# Altium PCB BT612-4-V1.0.PcbDoc (part 1 of 3)
Units mil, origin at the board's own origin, x right, y up, seen from the top; angles counter-clockwise.
Board outline 2224.41 x 905.51 mil, 2 copper layers (Top Layer, Bottom Layer); 57 components, 46 nets, 209 pads, 231 vias.
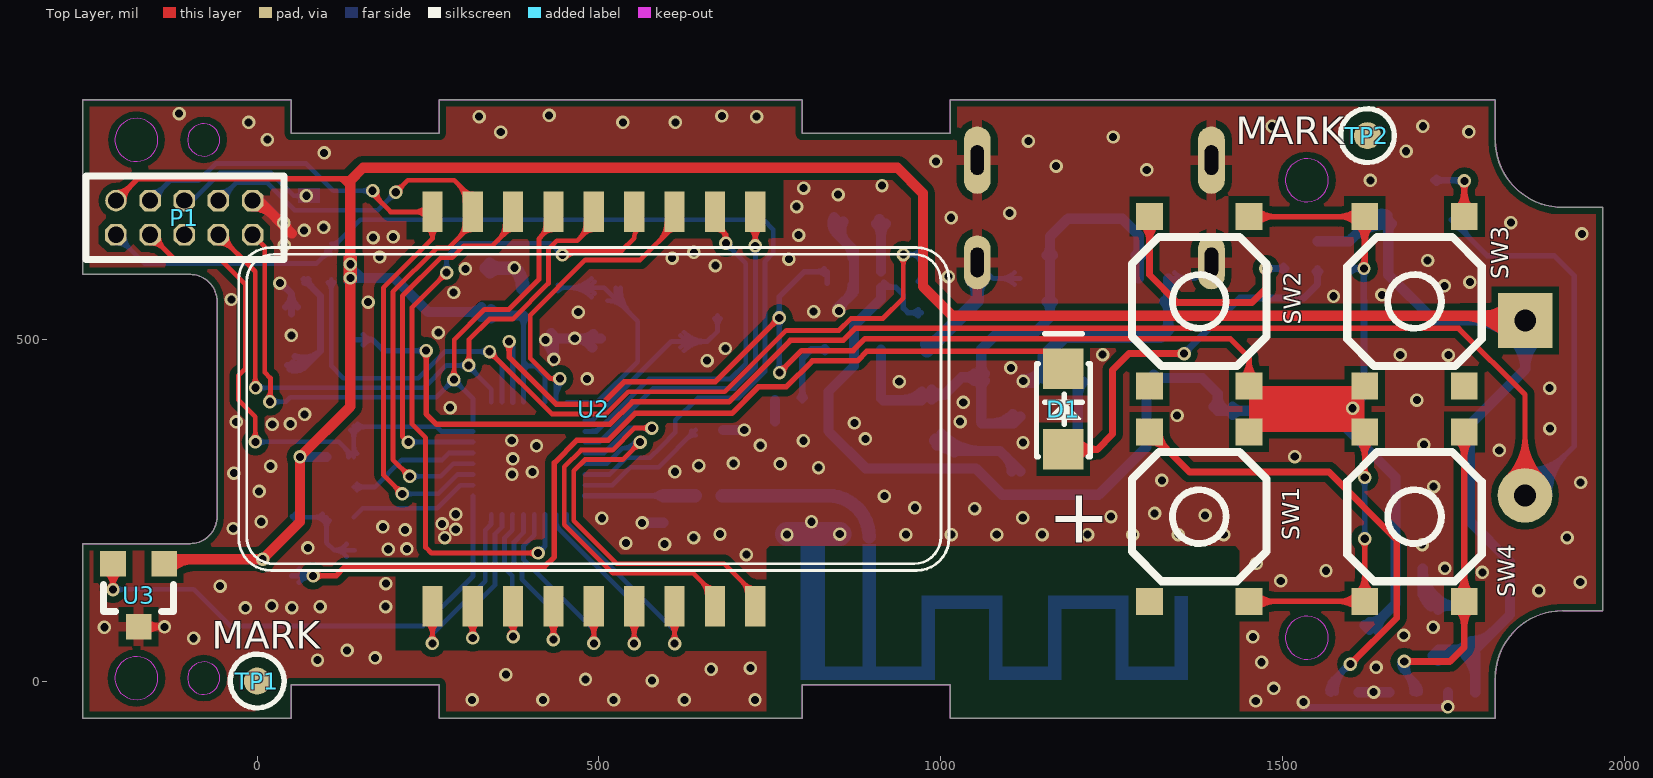
[diagram p0: Top Layer view]
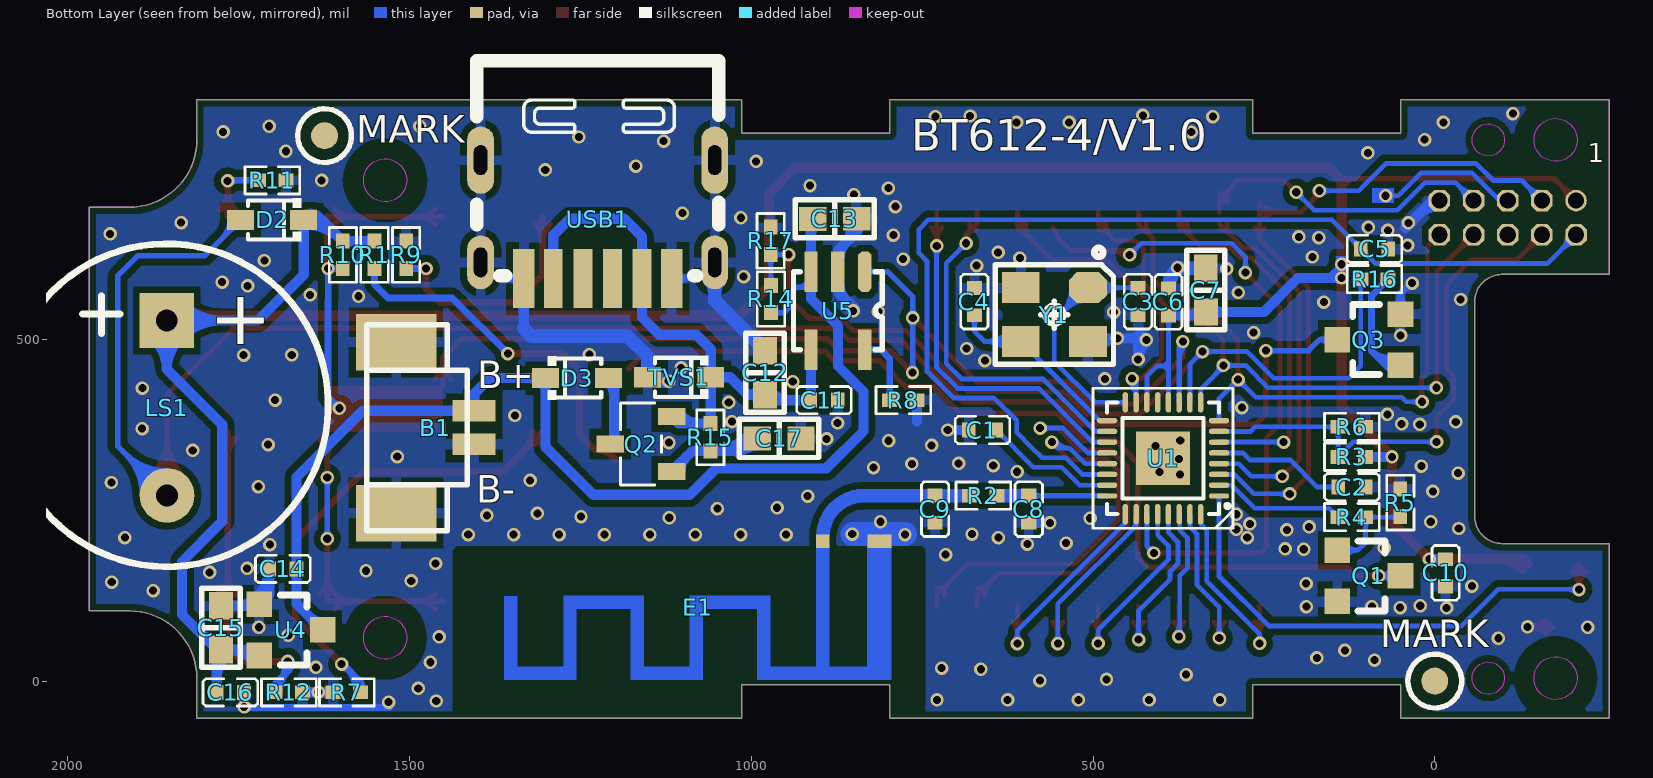
[diagram p1: Bottom Layer view, seen from below]
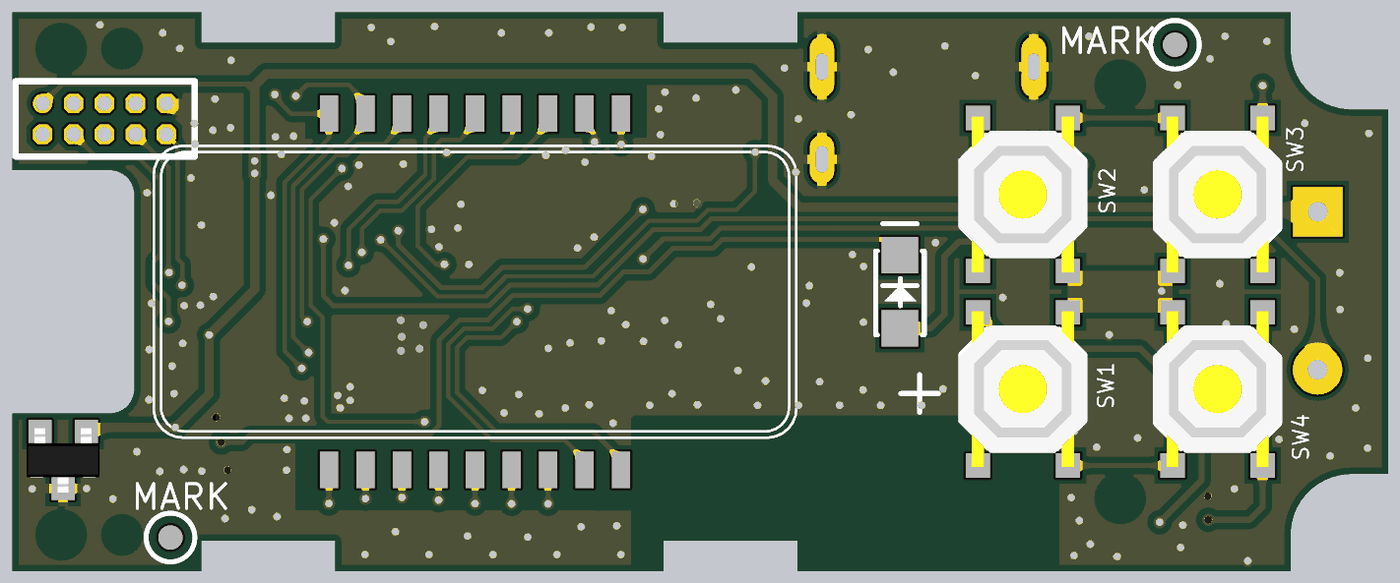
[diagram p4: 3D render of the assembled board from above, using the file's embedded part models]

## Layer stack, top to bottom
Top Layer: signal copper 1.4
Dielectric: dielectric 12.6, FR-4, Dk 4.8
Bottom Layer: signal copper 1.4

## Board outline
1811.42,-54.72 1014.17,-54.72 1014.17,-5.51 797.64,-5.51 797.64,-54.72 266.14,-54.72 266.14,-5.51 49.61,-5.51 49.61,-54.72 -255.51,-54.72 -255.51,201.18 -98.03,201.18 ccw(c-98.03,240.55) -58.66,240.55 -58.66,555.51 ccw(c-98.03,555.51) -98.03,594.88 -255.51,594.88 -255.51,850.79 49.61,850.79 49.61,801.58 266.14,801.58 266.14,850.79 797.64,850.79 797.64,801.58 1014.17,801.58 1014.17,850.79 1811.42,850.79 1811.42,791.73 ccw(c1909.84,791.73) 1910.3,693.31 1968.9,693.31 1968.9,102.76 1909.84,102.76 ccw(c1909.84,4.33) 1811.42,4.33

## Design rules (kind name [scope] priority, off if disabled: settings)
Clearance Clearance_1 [NOT (Inpolygon) vs NOT (Inpolygon)] p1: gap=7
Clearance [Inpolygon] p2: gap=10
FabricationTestPointUsage TestPointUsage [All] p1: valid=0 allowmultiple=FALSE
FabricationTestpoint Testpoint [All] p1: side=3 testpointundercomponent=TRUE minsize=40 maxsize=100 preferedsize=60 minholesize=20 maxholesize=40 preferedholesize=32 testpointgrid=1 allowsidetop=TRUE allowsidebottom=TRUE usegrid=TRUE gridtolerance=0.01
HoleToHoleClearance [All] p1: gap=6 allowstackedmicrovias=TRUE
MinimumSolderMaskSliver [All] p1: minsoldermaskwidth=6
PolygonConnect PolygonConnect_1 [IsVia] p1: connectstyle=Direct reliefconductorwidth=10 reliefentries=4 polygonreliefangle="90 Angle"
PolygonConnect [All] p2: connectstyle=Relief reliefconductorwidth=15 reliefentries=4 polygonreliefangle="90 Angle"
RoomDefinition BT612-4-V1.0 [InComponentClass('BT612-4-V1.0')] p1: confinementstyle=ConfineIn formatcopy=TRUE lockcomponents=FALSE outline -29340.29,-47798.28 -27340.29,-47798.28 -27340.29,-46798.28 -29340.29,-46798.28
RoutingVias [All] p1: holewidth=28 width=50 viastyle="Through Hole" minholewidth=7.87 minwidth=15.75 maxholewidth=28 maxwidth=50
SilkToSilkClearance [All] p1: silktosilkclearance=1
SilkscreenOverComponentPads [All] p1: minsilkscreentomaskgap=2
SolderMaskExpansion [All] p1: expansion=4
UnConnectedPin [All] p1:
Width [All] p1: maxlimit=40 minlimit=6 preferedwidth=10
22 further rules are at their usual default settings.

## Components (designator, comment, footprint, x,y, rotation, side; value= is the part's Value field where it differs from the comment)
B1 "Battery 4.2V" BAT2P-1.25 1462.6,370.87 r270 bottom
C1 "104" 0402C 661.81,367.32 r0 bottom
C2 "104" 0402C 121.26,283.86 r0 bottom
C3 "22pF" 0402C 434.25,555.12 r270 bottom
C4 "22pF" 0402C 673.62,555.12 r270 bottom
C5 "104" 0402C 88.19,632.28 r180 bottom
C6 "104" 0402C 389.76,554.72 r90 bottom
C7 "106" 0603-C 335.04,572.05 r90 bottom
C8 "NC" 0402C 594.09,251.57 r270 bottom
C9 "NC" 0402C 731.1,251.57 r270 bottom
C10 "104" 0402C -15.75,158.35 r270 bottom
C11 "104" 0402C 893.7,411.02 r0 bottom
C12 "106" 0603-C 979.92,451.18 r270 bottom
C13 "106" 0603-C 878.08,676.32 r0 bottom
C14 "104" 0402C 1685.43,164.17 r180 bottom
C15 "106" 0603-C 1775.99,77.95 r270 bottom
C16 "104" 0402C 1762.21,-16.54 r0 bottom
C17 "106" 0603-C 959.45,355.12 r0 bottom
D1 "LED3020" LED-3020 1179.53,398.03 r270 top
D2 "1N4148WS" SOD323 1701.18,674.8 r0 bottom
D3 "1N4148WS" SOD323 1255.12,443.31 r180 bottom
E1 "Antenna" BT-ANT 895.28,204.33 r180 bottom
LS1 "Bell" BUZZ-12085 1855.12,399.61 r180 bottom
P1 "Debug connecter 1.27mm" SIP5-X2-1.27 -106.69,677.95 r0 top
Q1 "S8050" SOT23 96.46,153.94 r0 bottom
Q2 "RU20P4C" SOT-23-GSD 1161.42,346.85 r90 bottom
Q3 "S8050" SOT23 96.46,499.61 r180 bottom
R1 "1K" 0402R 1551.38,623.62 r90 bottom
R2 "3.6nH" 0402R 660.63,271.26 r180 bottom
R3 "0R" 0402R 121.26,327.95 r0 bottom
R4 "1K" 0402R 121.26,239.76 r0 bottom
R5 "4.7K" 0402R 50.39,261.02 r270 bottom
R6 "0R" 0402R 121.26,372.05 r0 bottom
R7 "4.7K" 0402R 1591.73,-16.54 r0 bottom
R8 "10K" 0402R 777.56,411.02 r0 bottom
R9 "10K" 0402R 1505.12,623.62 r90 bottom
R10 "100K" 0402R 1597.64,623.62 r270 bottom
R11 "20K" 0402R 1700.79,732.68 r180 bottom
R12 "30K" 0402R 1676.77,-16.54 r180 bottom
R14 "10M" 0402R 971.26,559.06 r270 bottom
R15 "470K" 0402R 1059.84,356.69 r90 bottom
R16 "1K" 0402R 88.19,587.99 r0 bottom
R17 "1M" 0402R 971.65,644.09 r270 bottom
SW1 "Power_key" SW_PB_SMD_4X4 1378.35,240.55 r90 top locked
SW2 "Power_key" SW_PB_SMD_4X4 1378.35,555.51 r90 top locked
SW3 "Power_key" SW_PB_SMD_4X4 1693.31,555.51 r270 top
SW4 "Power_key" SW_PB_SMD_4X4 1693.31,240.55 r270 top
TP1 "MARK" MARK 0,0 r0 top
TP2 "MARK" MARK 1624.41,798.03 r0 top
TVS1 "TVS" SOD323 1105.51,444.49 r0 bottom
U1 "PHY6222" QFN32-4*4 397.64,325.98 r0 bottom
U2 "DY10550-TTA_1" GTES505液晶屏 256.3,109.64 r90 top locked
U3 "SV229" SOT23-3 -173.62,125.59 r180 top
U4 "XC6206P302" SOT23 1673.62,74.8 r0 bottom
U5 "SV4054" SOT23-5 873.36,542.06 r0 bottom
USB1 "TYPE-C 6P" "TYPE-C 6P" 1224.8,675.59 r180 bottom locked
Y1 "16MHZ" JZ-3225 556.69,536.22 r270 bottom

## Footprints (in the part's own frame and the unit in brackets; to place one, negate y for a bottom-side part, rotate by r counter-clockwise, add the part's x,y. Pads: shape width x height; smd on the part's side, far side on the other; paste and mask are expansions set on the pad)
0402C [mil]
  rect 20x22 smd: 1(-20,0) 2(20,0)
  silkscreen extent -40,-20 40,20
0402R [mil]
  rect 22x20 smd: 1(-20,0) 2(20,0)
  silkscreen extent -40,-20 40,20
0603-C [mil]
  rect 40x35 smd: 1(-32.09,-0.07) 2(32.09,0.07)
  silkscreen extent -58,-28 58,28, body extent -51,-19 52,20, height 35
BAT2P-1.25 [mm]
  rect 0.8x1.6 smd: 1(-0.625,1.45) 2(0.625,1.45)
  rect 2.1x3 smd: 3(-3.175,-1.45) 4(3.175,-1.45)
  silkscreen extent -3.82,-2.55 3.83,1.2
BT-ANT [mm]
  rect 0.5x0.5 smd: 1(0,0)
  rect 0.9x0.5 smd: 2(2.1,0)
  rect 0.5x0.5 on Bottom Solder: ""(-11.6,-4.9) ""(-11.59,-2.29) ""(-9.4,-4.9) ""(-9.4,-2.26) ""(-6.9,-2.26) ""(-6.9,-4.9) ""(-4.7,-4.9) ""(-4.7,-2.26) ""(-2.2,-4.9) ""(-2.2,-2.26) ""(0,-4.4) ""(2.3,-4.9)
  Top Layer region: -6.651,-2.01 -6.651,-5.15 -7.151,-5.15 -7.151,-2.01
  Top Layer region: -4.448,-4.649 -4.448,-5.149 -7.149,-5.149 -7.149,-4.649
  Top Layer region: -4.449,-2.011 -4.449,-5.151 -4.95,-5.151 -4.95,-2.011
  Top Layer region: -1.951,-2.018 -1.951,-2.518 -4.951,-2.518 -4.951,-2.018
  Top Layer region: 2.544,0.253 2.544,-5.147 1.645,-5.147 1.645,0.253
  Top Layer region: 0.251,-0.092 0.251,-4.9 -0.25,-4.9 -0.25,-0.092
  Top Layer region: -1.951,-2.013 -1.951,-5.153 -2.451,-5.153 -2.451,-2.013
  Top Layer region: -9.149,-2.01 -9.149,-5.15 -9.649,-5.15 -9.649,-2.01
  Top Layer region: -9.649,-2.509 -9.649,-2.009 -6.948,-2.009 -6.948,-2.509
  Top Layer region: -9.15,-4.651 -9.15,-5.15 -11.85,-5.15 -11.85,-4.651
  Top Layer region: -11.347,-2.022 -11.347,-5.152 -11.847,-5.152 -11.847,-2.022
  Top Layer lines w0.5: 2.3,-4.9 -2.2,-4.9
BUZZ-12085 [mil]
  rect 80x80 hole 32: 1(-0.16,127.95)
  round 80 hole 32: 2(0.16,-127.95)
  silkscreen extent -236,-232 236,240, body extent -236,-233 236,237, height 354
GTES505液晶屏 [mm]
  rect 1.5x0.75 smd: 1(0,0) 2(0,-1.5) 3(0,-3) 4(0,-4.5) 5(0,-6) 6(0,-7.5) 7(0,-9) 8(0,-10.5) 9(0,-12) 10(14.65,-12) 11(14.65,-10.5) 12(14.65,-9) 13(14.65,-7.5) 14(14.65,-6) 15(14.65,-4.5) 16(14.65,-3) 17(14.65,-1.5) 18(14.65,0)
  silkscreen extent 1.33,-19.2 13.33,7.2
JZ-3225 [mm]
  oct 1.15x1.4 smd: 1(-1,1.25)
  rect 1.15x1.4 smd: 2(-1,-1.25) 3(1,-1.25) 4(1,1.25)
  silkscreen extent -2.47,-2.2 1.85,2.2
LED-3020 [mm]
  rect 1.5x1.5 smd: 1(1.5,0) 2(-1.5,0)
  silkscreen extent -2.79,-1 1.78,1, body extent -2.36,-0.77 1.84,0.83, height 1
MARK [mm]
  round 1 smd: 1(0,0)
  round 1 smd far side: 1(0,0)
  Top Layer pour cut-out: -1.009,0 -0.974,-0.261 -0.873,-0.504 -0.713,-0.713 -0.504,-0.873 -0.261,-0.974 0,-1.009 0,-1.009 0.261,-0.974 0.504,-0.873 0.713,-0.713 0.873,-0.504 0.974,-0.261 1.009,0 1.009,0 0.974,0.261 0.873,0.504 0.713,0.713 0.504,0.873 0.261,0.974 0,1.009 0,1.009 -0.261,0.974 -0.504,0.873 -0.713,0.713 -0.873,0.504 -0.974,0.261 -1.009,0
  Bottom Layer pour cut-out: 1.009,0 0.974,-0.261 0.873,-0.504 0.713,-0.713 0.504,-0.873 0.261,-0.974 0,-1.009 0,-1.009 -0.261,-0.974 -0.504,-0.873 -0.713,-0.713 -0.873,-0.504 -0.974,-0.261 -1.009,0 -1.009,0 -0.974,0.261 -0.873,0.504 -0.713,0.713 -0.504,0.873 -0.261,0.974 0,1.009 0,1.009 0.261,0.974 0.504,0.873 0.713,0.713 0.873,0.504 0.974,0.261 1.009,0
  silkscreen extent -1,-1 1,1
QFN32-4*4 [mm]
  oval 0.76x0.2 smd: 1(-2.08,1.4) 2(-2.08,1) 3(-2.08,0.6) 4(-2.08,0.2) 5(-2.08,-0.2) 6(-2.08,-0.6) 7(-2.08,-1) 8(-2.08,-1.4) 17(2.08,-1.4) 18(2.08,-1) 19(2.08,-0.6) 20(2.08,-0.2) 21(2.08,0.2) 22(2.08,0.6) 23(2.08,1) 24(2.08,1.4)
  oval 0.2x0.76 smd: 9(-1.4,-2.08) 10(-1,-2.08) 11(-0.6,-2.08) 12(-0.2,-2.08) 13(0.2,-2.08) 14(0.6,-2.08) 15(1,-2.08) 16(1.4,-2.08) 25(1.4,2.08) 26(1,2.08) 27(0.6,2.08) 28(0.2,2.08) 29(-0.2,2.08) 30(-0.6,2.08) 31(-1,2.08) 32(-1.4,2.08)
  rect 2x2 smd: 33(0,0)
  silkscreen extent -2.6,-2.6 2.6,2.6
SIP5-X2-1.27 [mm]
  round 0.8 hole 0.6: 1(-2.54,0.635)
  oct 0.8x0.8 hole 0.6: 2(-2.54,-0.635) 3(-1.27,0.635) 4(-1.27,-0.635) 5(0,0.635) 6(0,-0.635) 7(1.27,0.635) 8(1.27,-0.635) 9(2.54,0.635) 10(2.54,-0.635)
  silkscreen extent -3.66,-1.55 3.71,1.55
SOD323 [mm]
  rect 1x0.75 smd: 1(1.173,0) 2(-1.173,0)
  silkscreen extent -1.08,-0.8 0.9,0.8
SOT23 [mm]
  rect 0.95x0.95 smd: 1(1.175,-0.95) 2(1.175,0.95) 3(-1.175,0)
  silkscreen extent -0.6,-1.3 0.4,1.3, body extent -1.34,-1.5 1.3,1.5, height 1.08
SOT23-3 [mm]
  rect 0.95x0.95 smd: 1(-0.95,-1.175) 2(0,1.175) 3(0.95,-1.175)
  silkscreen extent -1.3,-0.4 1.3,0.6, body extent -1.5,-1.3 1.5,1.34, height 1.08
SOT23-5 [mm]
  oct 0.5x1.5 smd: 1(-1,-1.45)
  rect 0.5x1.5 smd: 2(0,-1.45) 3(1,-1.45) 4(1,1.45) 5(-1,1.45)
  silkscreen extent -1.65,-1.45 1.65,1.45, body extent -1.45,-1.4 1.45,1.4, height 1.2
SOT-23-GSD [mil]
  rect 25x40 smd: D(0,45) G(-40,-45) S(40,-45)
  silkscreen extent -60,-30 60,30
SW_PB_SMD_4X4 [mm]
  rect 1x1 smd: 1(-3.15,-1.85) 1(3.15,-1.85) 2(-3.15,1.85) 2(3.15,1.85)
  silkscreen extent -2.4,-2.5 2.4,2.5, body extent -3.2,-2.63 3.2,2.63, height 1.5
"TYPE-C 6P" [mm]
  oval 1x2 hole 0.5 slot 1.1 at 90 deg: 7(-4.35,-1.6) 7(4.35,-1.6)
  oval 1x2.5 hole 0.5 slot 1.1 at 90 deg: 7(-4.35,2.2) 7(4.35,2.2)
  rect 0.7x2.2 smd: A5(0.55,-2.2) A9(-1.65,-2.2) B5(-0.55,-2.2) B9(1.65,-2.2)
  rect 0.8x2.2 smd: A12(-2.75,-2.2) B12(2.75,-2.2)
  silkscreen extent -4.5,-2.1 4.5,5.9

## Part data
B1: library part Battery, "Multicell Battery"
C1 C2 C3 C4 C5 C6 C7 C8 C9 C10: library part Cap, "Capacitor"
C11 C12 C13 C14 C15 C16 C17: library part CAP, "Capacitor"
D1: library part LED0, "Typical INFRARED GaAs LED"
D2 D3: library part "D Varactor", "Variable Capacitance Diode"
LS1: "Electrical Bell"
P1: library part "Header 5X2", "Header, 5-Pin, Dual row"
Q1 Q3: library part NPN, "NPN Transistor"
Q2: library part P-MOS
R1 R2 R3 R4 R5 R6 R7 R9 R10 R11 R12 R14 R16 R17: library part Res2, "Resistor"
R8 R15: library part Res2, "1%@100mA"
SW1 SW2 SW3 SW4: library part SW-PB, "Switch"
TP1 TP2: library part TP
U3: library part "霍尔44E 938"
Y1: library part X1_1

## Via types
v1: diameter 19.68, hole 11.81, Top Layer to Bottom Layer, tented both sides, 231 vias

## Nets (pads, with @x,y where several pads share a name; then routed paths per layer and width w, separated by ;. In a path a pad name is that pad's centre, name@x,y a point inside that pad or via, vN(x,y) a via of type N, cw(c..) or ccw(c..) an arc to the next point about the centre after c; other vN are vias at no path point)
BELL: R14.1 R16.2 R17.2 U1.10 | length 2012.3
  Top Layer w7: v1(339.89,482.15) 431.5,390.55 510.19,390.55 542.8,423.16 684.21,423.16 774.1,513.05 851.26,513.05 868.86,530.64 915.65,530.64 945.35,560.35 v1(945.35,624.09) ; v1@339.89,475.81 cw(c339.89,460.5) 350.72,471.33 ; v1@339.89,475.81 cw(c339.89,460.5) 350.72,471.33 ; v1@339.89,475.81 cw(c339.89,460.5) 350.72,471.33 ; v1@346.24,482.15 ccw(c361.55,482.15) 350.72,471.33 ; v1@346.24,482.15 ccw(c361.55,482.15) 350.72,471.33 ; v1@346.24,482.15 ccw(c361.55,482.15) 350.72,471.33 ; v1@940.87,619.61 cw(c930.04,608.78) 945.35,608.78 ; v1@940.87,619.61 cw(c930.04,608.78) 945.35,608.78 ; v1@940.87,619.61 cw(c930.04,608.78) 945.35,608.78 ; 945.35,608.78 cw(c960.67,608.78) v1@949.84,619.61 ; 945.35,608.78 cw(c960.67,608.78) v1@949.84,619.61 ; 945.35,608.78 cw(c960.67,608.78) v1@949.84,619.61
  Bottom Layer w7: R16.2@108.19,587.99 108.19,461.1 126.16,443.13 235.68,443.13 274.7,482.15 ; 317.87,482.15 274.7,482.15 ; U1.10@358.27,407.87 358.27,463.78 v1(339.89,482.15) 274.7,482.15 ; v1(945.35,624.09) R17.2@971.65,624.09 R14.1@971.65,579.45 ; R16.2@103.59,583.4 cw(c92.5,572.3) 108.19,572.3 ; R16.2@103.59,583.4 cw(c92.5,572.3) 108.19,572.3 ; R16.2@103.59,583.4 cw(c92.5,572.3) 108.19,572.3 ; 108.19,572.3 cw(c123.88,572.3) R16.2@112.79,583.4 ; 108.19,572.3 cw(c123.88,572.3) R16.2@112.79,583.4 ; 108.19,572.3 cw(c123.88,572.3) R16.2@112.79,583.4 ; 324.58,482.15 cw(c324.58,466.84) v1@335.41,477.67 ; 324.58,482.15 ccw(c324.58,497.47) v1@335.41,486.64 ; 324.58,482.15 cw(c324.58,466.84) v1@335.41,477.67 ; 324.58,482.15 ccw(c324.58,497.47) v1@335.41,486.64 ; 324.58,482.15 cw(c324.58,466.84) v1@335.41,477.67 ; 324.58,482.15 ccw(c324.58,497.47) v1@335.41,486.64 ; v1@339.89,475.81 cw(c339.89,460.5) 350.72,471.33 ; v1@339.89,475.81 cw(c339.89,460.5) 350.72,471.33 ; v1@339.89,475.81 cw(c339.89,460.5) 350.72,471.33 ; v1@346.24,482.15 ccw(c361.55,482.15) 350.72,471.33 ; v1@346.24,482.15 ccw(c361.55,482.15) 350.72,471.33 ; v1@346.24,482.15 ccw(c361.55,482.15) 350.72,471.33 ; v1@949.84,619.61 cw(c960.67,608.78) 960.67,624.09 ; v1@949.84,619.61 cw(c960.67,608.78) 960.67,624.09 ; v1@949.84,619.61 cw(c960.67,608.78) 960.67,624.09 ; v1@949.84,628.58 ccw(c960.67,639.41) 960.67,624.09 ; v1@949.84,628.58 ccw(c960.67,639.41) 960.67,624.09 ; v1@949.84,628.58 ccw(c960.67,639.41) 960.67,624.09 ; 955.96,624.09 cw(c955.96,608.4) R17.2@967.06,619.5 ; 955.96,624.09 ccw(c955.96,639.79) R17.2@967.06,628.69 ; 955.96,624.09 cw(c955.96,608.4) R17.2@967.06,619.5 ; 955.96,624.09 ccw(c955.96,639.79) R17.2@967.06,628.69 ; 955.96,624.09 cw(c955.96,608.4) R17.2@967.06,619.5 ; 955.96,624.09 ccw(c955.96,639.79) R17.2@967.06,628.69 ; R14.1@966.66,584.65 ccw(c954.62,596.7) 971.65,596.7 ; R14.1@966.66,584.65 ccw(c954.62,596.7) 971.65,596.7 ; R14.1@966.66,584.65 ccw(c954.62,596.7) 971.65,596.7 ; R17.2@967.06,618.5 cw(c955.96,607.4) 971.65,607.4 ; R17.2@967.06,618.5 cw(c955.96,607.4) 971.65,607.4 ; R17.2@967.06,618.5 cw(c955.96,607.4) 971.65,607.4 ; 971.65,594.8 ccw(c986,594.8) R14.1@975.86,584.65 ; 971.65,594.8 ccw(c986,594.8) R14.1@975.86,584.65 ; 971.65,594.8 ccw(c986,594.8) R14.1@975.86,584.65 ; 971.65,607.4 cw(c987.35,607.4) R17.2@976.25,618.5 ; 971.65,607.4 cw(c987.35,607.4) R17.2@976.25,618.5 ; 971.65,607.4 cw(c987.35,607.4) R17.2@976.25,618.5
CHRG#KEY: R10.2 SW1.1 SW2.1 SW3.1 SW4.1 U1.11 U5.1 | length 4494.9
  Top Layer w8: v1(368.5,496.85) 368.5,474.05 437.5,405.05 504.18,405.05 536.79,437.66 669.94,437.66 v1(763.78,531.5) ; v1(764.17,451.18) 796.54,483.55 871.77,483.55 ; 806.37,483.55 871.77,483.55 ; SW1.1@1451.18,116.54 SW4.1@1620.47,116.54 v1(1620.47,208.27) ; SW2.1@1451.18,431.5 1451.18,473.37 1423.41,501.14 889.37,501.14 871.77,483.55 ; SW2.1@1451.18,679.53 SW3.1@1620.47,679.53 ; v1(1620.47,297.82) SW4.1@1620.47,364.57 ; v1@364.37,492.72 cw(c354.4,482.74) 368.5,482.74 ; v1@364.37,492.72 cw(c354.4,482.74) 368.5,482.74 ; v1@364.37,492.72 cw(c354.4,482.74) 368.5,482.74 ; 368.5,482.74 cw(c382.61,482.74) v1@372.63,492.72 ; 368.5,482.74 cw(c382.61,482.74) v1@372.63,492.72 ; 368.5,482.74 cw(c382.61,482.74) v1@372.63,492.72 ; 753.81,521.52 cw(c763.78,511.55) v1@763.78,525.65 ; 753.81,521.52 ccw(c743.83,531.5) v1@757.94,531.5 ; 753.81,521.52 cw(c763.78,511.55) v1@763.78,525.65 ; 753.81,521.52 ccw(c743.83,531.5) v1@757.94,531.5 ; 753.81,521.52 cw(c763.78,511.55) v1@763.78,525.65 ; 753.81,521.52 ccw(c743.83,531.5) v1@757.94,531.5 ; v1@764.17,457.02 ccw(c764.17,471.13) 774.15,461.15 ; v1@764.17,457.02 ccw(c764.17,471.13) 774.15,461.15 ; v1@764.17,457.02 ccw(c764.17,471.13) 774.15,461.15 ; v1@770.02,451.18 cw(c784.12,451.18) 774.15,461.15 ; v1@770.02,451.18 cw(c784.12,451.18) 774.15,461.15 ; v1@770.02,451.18 cw(c784.12,451.18) 774.15,461.15 ; 1451.18,469.36 cw(c1413.31,469.36) 1440.09,442.59 ccw(c1413.31,469.36) 1451.18,469.36 ; 1451.18,469.36 ccw(c1489.05,469.36) 1462.27,442.59 cw(c1489.05,469.36) 1451.18,469.36 ; 1489.05,116.54 cw(c1489.05,154.4) 1462.27,127.63 ccw(c1489.05,154.4) 1489.05,116.54 ; 1489.05,116.54 ccw(c1489.05,78.67) 1462.27,105.44 cw(c1489.05,78.67) 1489.05,116.54 ; 1489.05,679.53 cw(c1489.05,717.39) 1462.27,690.62 ccw(c1489.05,717.39) 1489.05,679.53 ; 1489.05,679.53 ccw(c1489.05,641.66) 1462.27,668.44 cw(c1489.05,641.66) 1489.05,679.53 ; 1582.61,116.54 cw(c1582.61,78.67) 1609.38,105.44 ccw(c1582.61,78.67) 1582.61,116.54 ; 1582.61,116.54 ccw(c1582.61,154.4) SW4.1@1609.38,127.63 ; 1582.61,116.54 ccw(c1582.61,154.4) SW4.1@1609.38,127.63 ; 1582.61,679.53 cw(c1582.61,641.66) 1609.38,668.44 ccw(c1582.61,641.66) 1582.61,679.53 ; 1582.61,679.53 ccw(c1582.61,717.39) 1609.38,690.62 cw(c1582.61,717.39) 1582.61,679.53 ; SW4.1@1609.38,127.63 ccw(c1582.61,154.4) 1620.47,154.4 ; SW4.1@1609.38,127.63 ccw(c1582.61,154.4) 1620.47,154.4 ; 1620.47,154.4 ccw(c1658.34,154.4) 1631.56,127.63 cw(c1658.34,154.4) 1620.47,154.4 ; 1620.47,194.16 cw(c1634.58,194.16) 1624.6,204.14 ccw(c1634.58,194.16) 1620.47,194.16 ; 1620.47,194.16 ccw(c1606.37,194.16) 1616.34,204.14 cw(c1606.37,194.16) 1620.47,194.16 ; 1620.47,311.92 cw(c1606.37,311.92) 1616.34,301.95 ccw(c1606.37,311.92) 1620.47,311.92 ; 1620.47,311.92 ccw(c1634.58,311.92) 1624.6,301.95 cw(c1634.58,311.92) 1620.47,311.92 ; 1620.47,326.7 cw(c1658.34,326.7) 1631.56,353.48 ccw(c1658.34,326.7) 1620.47,326.7 ; 1620.47,326.7 ccw(c1582.61,326.7) 1609.38,353.48 cw(c1582.61,326.7) 1620.47,326.7
  Top Layer w10: v1@1620.47,604.73 SW3.1@1620.47,679.53 ; v1@1615.95,607.05 ccw(c1605.02,617.98) 1620.47,617.98 ; v1@1615.95,607.05 ccw(c1605.02,617.98) 1620.47,617.98 ; v1@1615.95,607.05 ccw(c1605.02,617.98) 1620.47,617.98 ; 1620.47,644.08 cw(c1655.93,644.08) 1630.86,669.14 ccw(c1655.93,644.08) 1620.47,644.08 ; 1620.47,644.08 ccw(c1585.02,644.08) 1610.09,669.14 cw(c1585.02,644.08) 1620.47,644.08
  Bottom Layer w8: v1(368.5,496.85) 368.11,496.46 368.11,492.91 369.69,492.91 374.02,488.58 U1.11@374.02,407.88 374.02,453.54 ; v1@763.78,451.18 v1(763.78,531.5) 763.78,562.2 800.73,599.15 U5.1@833.99,599.15 U5.1@833.99,582.02 ; v1(1620.47,208.27) v1(1620.47,297.82) ; v1@364.37,492.72 cw(c341.08,469.42) 374.02,469.42 ; v1@364.37,492.72 cw(c341.08,469.42) 374.02,469.42 ; v1@364.37,492.72 cw(c341.08,469.42) 374.02,469.42 ; v1@759.65,527.36 cw(c749.67,517.39) 763.78,517.39 ; v1@759.65,527.36 cw(c749.67,517.39) 763.78,517.39 ; v1@759.65,527.36 cw(c749.67,517.39) 763.78,517.39 ; v1@759.65,535.63 ccw(c749.67,545.6) 763.78,545.6 ; v1@759.65,535.63 ccw(c749.67,545.6) 763.78,545.6 ; v1@759.65,535.63 ccw(c749.67,545.6) 763.78,545.6 ; v1@760.04,455.31 ccw(c751.02,464.34) 763.78,464.34 ; v1@760.04,455.31 ccw(c751.02,464.34) 763.78,464.34 ; v1@760.04,455.31 ccw(c751.02,464.34) 763.78,464.34 ; 763.78,466.24 ccw(c779.23,466.24) v1@768.3,455.31 ; 763.78,466.24 ccw(c779.23,466.24) v1@768.3,455.31 ; 763.78,466.24 ccw(c779.23,466.24) v1@768.3,455.31 ; 763.78,517.39 cw(c777.88,517.39) v1@767.91,527.36 ; 763.78,517.39 cw(c777.88,517.39) v1@767.91,527.36 ; 763.78,517.39 cw(c777.88,517.39) v1@767.91,527.36 ; 763.78,545.6 ccw(c777.88,545.6) v1@767.91,535.63 ; 763.78,545.6 ccw(c777.88,545.6) v1@767.91,535.63 ; 763.78,545.6 ccw(c777.88,545.6) v1@767.91,535.63 ; 819.89,599.15 cw(c819.89,585.05) U5.1@829.86,595.02 ; 819.89,599.15 ccw(c819.89,613.26) U5.1@829.86,603.28 ; 819.89,599.15 cw(c819.89,585.05) U5.1@829.86,595.02 ; 819.89,599.15 ccw(c819.89,613.26) U5.1@829.86,603.28 ; 819.89,599.15 cw(c819.89,585.05) U5.1@829.86,595.02 ; 819.89,599.15 ccw(c819.89,613.26) U5.1@829.86,603.28 ; 1620.47,222.37 cw(c1606.37,222.37) 1616.34,212.4 ccw(c1606.37,222.37) 1620.47,222.37 ; 1620.47,222.37 ccw(c1634.58,222.37) 1624.6,212.4 cw(c1634.58,222.37) 1620.47,222.37 ; 1620.47,283.71 cw(c1634.58,283.71) 1624.6,293.69 ccw(c1634.58,283.71) 1620.47,283.71 ; 1620.47,283.71 ccw(c1606.37,283.71) 1616.34,293.69 cw(c1606.37,283.71) 1620.47,283.71
  Bottom Layer w10: R10.2@1597.64,603.62 v1(1619.37,603.62) 1619.1,603.35 1619.1,557.22 1619.37,556.95 1619.37,415.83 v1(1602.76,399.21) ; R10.2@1601.17,600.09 cw(c1609.71,591.55) v1@1609.71,603.62 ; R10.2@1601.17,600.09 cw(c1609.71,591.55) v1@1609.71,603.62 ; R10.2@1601.17,600.09 cw(c1609.71,591.55) v1@1609.71,603.62 ; R10.2@1601.17,607.16 ccw(c1609.71,615.69) v1@1609.71,603.62 ; R10.2@1601.17,607.16 ccw(c1609.71,615.69) v1@1609.71,603.62 ; R10.2@1601.17,607.16 ccw(c1609.71,615.69) v1@1609.71,603.62 ; v1@1602.76,404.06 ccw(c1602.76,415.75) 1611.02,407.48 ; v1@1602.76,404.06 ccw(c1602.76,415.75) 1611.02,407.48 ; v1@1602.76,404.06 ccw(c1602.76,415.75) 1611.02,407.48 ; v1@1607.6,399.21 cw(c1619.29,399.21) 1611.02,407.48 ; v1@1607.6,399.21 cw(c1619.29,399.21) 1611.02,407.48 ; v1@1607.6,399.21 cw(c1619.29,399.21) 1611.02,407.48 ; 1607.68,603.62 cw(c1607.68,591.93) v1@1615.95,600.2 ; 1607.68,603.62 ccw(c1607.68,615.31) v1@1615.95,607.05 ; 1607.68,603.62 cw(c1607.68,591.93) v1@1615.95,600.2 ; 1607.68,603.62 ccw(c1607.68,615.31) v1@1615.95,607.05 ; 1607.68,603.62 cw(c1607.68,591.93) v1@1615.95,600.2 ; 1607.68,603.62 ccw(c1607.68,615.31) v1@1615.95,607.05 ; v1@1615.95,600.2 cw(c1608.33,592.58) 1619.1,592.58 ; v1@1615.95,600.2 cw(c1608.33,592.58) 1619.1,592.58 ; v1@1615.95,600.2 cw(c1608.33,592.58) 1619.1,592.58 ; 1619.1,591.28 cw(c1631.71,591.28) v1@1622.79,600.2 ; 1619.1,591.28 cw(c1631.71,591.28) v1@1622.79,600.2 ; 1619.1,591.28 cw(c1631.71,591.28) v1@1622.79,600.2
COM1: U1.28 U2.5 | length 663.3
  Top Layer w7: v1@492.52,55.51 U2.5@492.52,109.64 ; U2.5@484.56,86.92 cw(c465.33,67.69) 492.52,67.69 ; U2.5@484.56,86.92 cw(c465.33,67.69) 492.52,67.69 ; U2.5@484.56,86.92 cw(c465.33,67.69) 492.52,67.69 ; v1@488.04,59.6 ccw(c477.21,70.43) 492.52,70.43 ; v1@488.04,59.6 ccw(c477.21,70.43) 492.52,70.43 ; v1@488.04,59.6 ccw(c477.21,70.43) 492.52,70.43 ; v1@488.04,59.6 ccw(c477.21,70.43) 492.52,70.43 ; v1@488.04,59.6 ccw(c477.21,70.43) 492.52,70.43 ; 492.52,67.69 cw(c519.71,67.69) U2.5@500.49,86.92 ; 492.52,67.69 cw(c519.71,67.69) U2.5@500.49,86.92 ; 492.52,67.69 cw(c519.71,67.69) U2.5@500.49,86.92 ; 492.52,70.43 ccw(c507.83,70.43) v1@497.01,59.6 ; 492.52,70.43 ccw(c507.83,70.43) v1@497.01,59.6 ; 492.52,70.43 ccw(c507.83,70.43) v1@497.01,59.6 ; 492.52,70.43 ccw(c507.83,70.43) v1@497.01,59.6 ; 492.52,70.43 ccw(c507.83,70.43) v1@497.01,59.6
  Bottom Layer w7: 403.77,163.56 405.51,161.82 ; U1.28@405.51,244.09 405.51,213.42 389.76,197.67 389.76,177.56 405.51,161.82 ; v1(492.52,55.12) 492.52,74.8 405.51,161.82 ; v1@488.04,59.6 ccw(c477.21,70.43) 492.52,70.43 ; v1@488.04,59.6 ccw(c477.21,70.43) 492.52,70.43 ; v1@488.04,59.6 ccw(c477.21,70.43) 492.52,70.43 ; v1@488.04,59.6 ccw(c477.21,70.43) 492.52,70.43 ; v1@488.04,59.6 ccw(c477.21,70.43) 492.52,70.43 ; 492.52,70.43 ccw(c507.83,70.43) v1@497.01,59.6 ; 492.52,70.43 ccw(c507.83,70.43) v1@497.01,59.6 ; 492.52,70.43 ccw(c507.83,70.43) v1@497.01,59.6 ; 492.52,70.43 ccw(c507.83,70.43) v1@497.01,59.6 ; 492.52,70.43 ccw(c507.83,70.43) v1@497.01,59.6
COM2: U1.26 U2.6 | length 694.2
  Top Layer w7: v1(551.58,54.72) U2.6@551.58,109.64 ; U2.6@543.61,86.92 cw(c524.38,67.69) 551.58,67.69 ; U2.6@543.61,86.92 cw(c524.38,67.69) 551.58,67.69 ; U2.6@543.61,86.92 cw(c524.38,67.69) 551.58,67.69 ; v1@547.09,59.21 ccw(c536.26,70.04) 551.58,70.04 ; v1@547.09,59.21 ccw(c536.26,70.04) 551.58,70.04 ; v1@547.09,59.21 ccw(c536.26,70.04) 551.58,70.04 ; v1@547.09,59.21 ccw(c536.26,70.04) 551.58,70.04 ; v1@547.09,59.21 ccw(c536.26,70.04) 551.58,70.04 ; 551.58,67.69 cw(c578.77,67.69) U2.6@559.54,86.92 ; 551.58,67.69 cw(c578.77,67.69) U2.6@559.54,86.92 ; 551.58,67.69 cw(c578.77,67.69) U2.6@559.54,86.92 ; 551.58,70.04 ccw(c566.89,70.04) v1@556.06,59.21 ; 551.58,70.04 ccw(c566.89,70.04) v1@556.06,59.21 ; 551.58,70.04 ccw(c566.89,70.04) v1@556.06,59.21 ; 551.58,70.04 ccw(c566.89,70.04) v1@556.06,59.21 ; 551.58,70.04 ccw(c566.89,70.04) v1@556.06,59.21
  Bottom Layer w7: U1.26@437.01,244.09 437.01,227.56 551.58,112.99 v1(551.58,54.72) ; U1.26@437.44,233.07 ccw(c451.8,233.07) 441.65,222.92 ; U1.26@437.44,233.07 ccw(c451.8,233.07) 441.65,222.92 ; U1.26@437.44,233.07 ccw(c451.8,233.07) 441.65,222.92 ; v1@547.09,59.21 ccw(c536.26,70.04) 551.58,70.04 ; v1@547.09,59.21 ccw(c536.26,70.04) 551.58,70.04 ; v1@547.09,59.21 ccw(c536.26,70.04) 551.58,70.04 ; v1@547.09,59.21 ccw(c536.26,70.04) 551.58,70.04 ; v1@547.09,59.21 ccw(c536.26,70.04) 551.58,70.04 ; 551.58,70.04 ccw(c566.89,70.04) v1@556.06,59.21 ; 551.58,70.04 ccw(c566.89,70.04) v1@556.06,59.21 ; 551.58,70.04 ccw(c566.89,70.04) v1@556.06,59.21 ; 551.58,70.04 ccw(c566.89,70.04) v1@556.06,59.21 ; 551.58,70.04 ccw(c566.89,70.04) v1@556.06,59.21
COM3: U1.25 U2.7 | length 678.1
  Top Layer w7: v1(610.63,54.72) U2.7@610.63,109.64 ; U2.7@602.67,86.92 cw(c583.44,67.69) 610.63,67.69 ; U2.7@602.67,86.92 cw(c583.44,67.69) 610.63,67.69 ; U2.7@602.67,86.92 cw(c583.44,67.69) 610.63,67.69 ; v1@606.15,59.21 ccw(c595.32,70.04) 610.63,70.04 ; v1@606.15,59.21 ccw(c595.32,70.04) 610.63,70.04 ; v1@606.15,59.21 ccw(c595.32,70.04) 610.63,70.04 ; v1@606.15,59.21 ccw(c595.32,70.04) 610.63,70.04 ; v1@606.15,59.21 ccw(c595.32,70.04) 610.63,70.04 ; 610.63,67.69 cw(c637.82,67.69) U2.7@618.6,86.92 ; 610.63,67.69 cw(c637.82,67.69) U2.7@618.6,86.92 ; 610.63,67.69 cw(c637.82,67.69) U2.7@618.6,86.92 ; 610.63,70.04 ccw(c625.94,70.04) v1@615.12,59.21 ; 610.63,70.04 ccw(c625.94,70.04) v1@615.12,59.21 ; 610.63,70.04 ccw(c625.94,70.04) v1@615.12,59.21 ; 610.63,70.04 ccw(c625.94,70.04) v1@615.12,59.21 ; 610.63,70.04 ccw(c625.94,70.04) v1@615.12,59.21
  Bottom Layer w7: U1.25@452.76,244.1 452.76,231.61 611.02,73.34 v1@611.02,55.12 ; v1@606.15,59.21 ccw(c594.37,70.99) 611.02,70.99 ; v1@606.15,59.21 ccw(c594.37,70.99) 611.02,70.99 ; v1@606.15,59.21 ccw(c594.37,70.99) 611.02,70.99 ; v1@606.15,59.21 ccw(c594.37,70.99) 611.02,70.99 ; v1@606.15,59.21 ccw(c594.37,70.99) 611.02,70.99 ; 611.02,69.09 ccw(c624.99,69.09) v1@615.12,59.21 ; 611.02,69.09 ccw(c624.99,69.09) v1@615.12,59.21 ; 611.02,69.09 ccw(c624.99,69.09) v1@615.12,59.21 ; 611.02,69.09 ccw(c624.99,69.09) v1@615.12,59.21 ; 611.02,69.09 ccw(c624.99,69.09) v1@615.12,59.21
COM4: U1.20 U2.8 | length 901.4
  Top Layer w7: v1(577.56,370.08) 551.94,370.08 519.88,338.02 473.83,338.02 449.19,313.37 449.19,228.77 520.3,157.65 638.02,157.65 669.69,125.98 U2.8@669.69,109.64 ; 562.25,370.08 cw(c562.25,354.77) v1@573.07,365.59 ; 562.25,370.08 ccw(c562.25,385.39) v1@573.07,374.56 ; 562.25,370.08 cw(c562.25,354.77) v1@573.07,365.59 ; 562.25,370.08 ccw(c562.25,385.39) v1@573.07,374.56 ; 562.25,370.08 cw(c562.25,354.77) v1@573.07,365.59 ; 562.25,370.08 ccw(c562.25,385.39) v1@573.07,374.56 ; 649.34,146.33 cw(c627.42,124.41) U2.8@658.42,124.41 ; 649.34,146.33 cw(c627.42,124.41) U2.8@658.42,124.41 ; 649.34,146.33 cw(c627.42,124.41) U2.8@658.42,124.41 ; 653.15,142.52 ccw(c669.69,159.06) U2.8@669.69,135.67 ; 653.15,142.52 ccw(c669.69,159.06) U2.8@669.69,135.67 ; 653.15,142.52 ccw(c669.69,159.06) U2.8@669.69,135.67
  Bottom Layer w7: U1.20@479.53,333.85 507.64,333.85 543.87,370.08 v1(577.56,370.08) ; 562.25,370.08 cw(c562.25,354.77) v1@573.07,365.59 ; 562.25,370.08 ccw(c562.25,385.39) v1@573.07,374.56 ; 562.25,370.08 cw(c562.25,354.77) v1@573.07,365.59 ; 562.25,370.08 ccw(c562.25,385.39) v1@573.07,374.56 ; 562.25,370.08 cw(c562.25,354.77) v1@573.07,365.59 ; 562.25,370.08 ccw(c562.25,385.39) v1@573.07,374.56
COM5: U1.21 U2.9 | length 898.9
  Top Layer w7: v1@560.24,355.51 v1(560.24,349.61) 534.65,324.02 479.63,324.02 463.19,307.57 463.19,234.57 526.1,171.65 683.47,171.65 728.74,126.38 U2.9@728.74,109.64 ; 549.41,338.78 cw(c560.24,327.95) v1@560.24,343.26 ; 549.41,338.78 ccw(c538.58,349.61) v1@553.89,349.61 ; 549.41,338.78 cw(c560.24,327.95) v1@560.24,343.26 ; 549.41,338.78 ccw(c538.58,349.61) v1@553.89,349.61 ; 549.41,338.78 cw(c560.24,327.95) v1@560.24,343.26 ; 549.41,338.78 ccw(c538.58,349.61) v1@553.89,349.61 ; 708.12,147 cw(c685.53,124.41) 717.48,124.41 ccw(c685.53,124.41) 708.12,147 ; 712.88,142.24 ccw(c728.74,158.11) 728.74,135.67 cw(c728.74,158.11) 712.88,142.24
  Bottom Layer w7: U1.21@479.52,318.11 511.7,318.11 534.36,340.77 ; v1(560.24,349.61) 551.4,340.77 534.36,340.77 ; 534.36,340.77 ccw(c534.36,364.08) v1@554.7,352.7 ; 534.36,340.77 ccw(c534.36,364.08) v1@554.7,352.7 ; 534.36,340.77 ccw(c534.36,364.08) v1@554.7,352.7 ; 546.3,340.77 ccw(c546.3,357.4) v1@560.81,349.29 ; 546.3,340.77 ccw(c546.3,357.4) v1@560.81,349.29 ; 546.3,340.77 ccw(c546.3,357.4) v1@560.81,349.29